# KiCad board visionboard.kicad_pcb (continued)
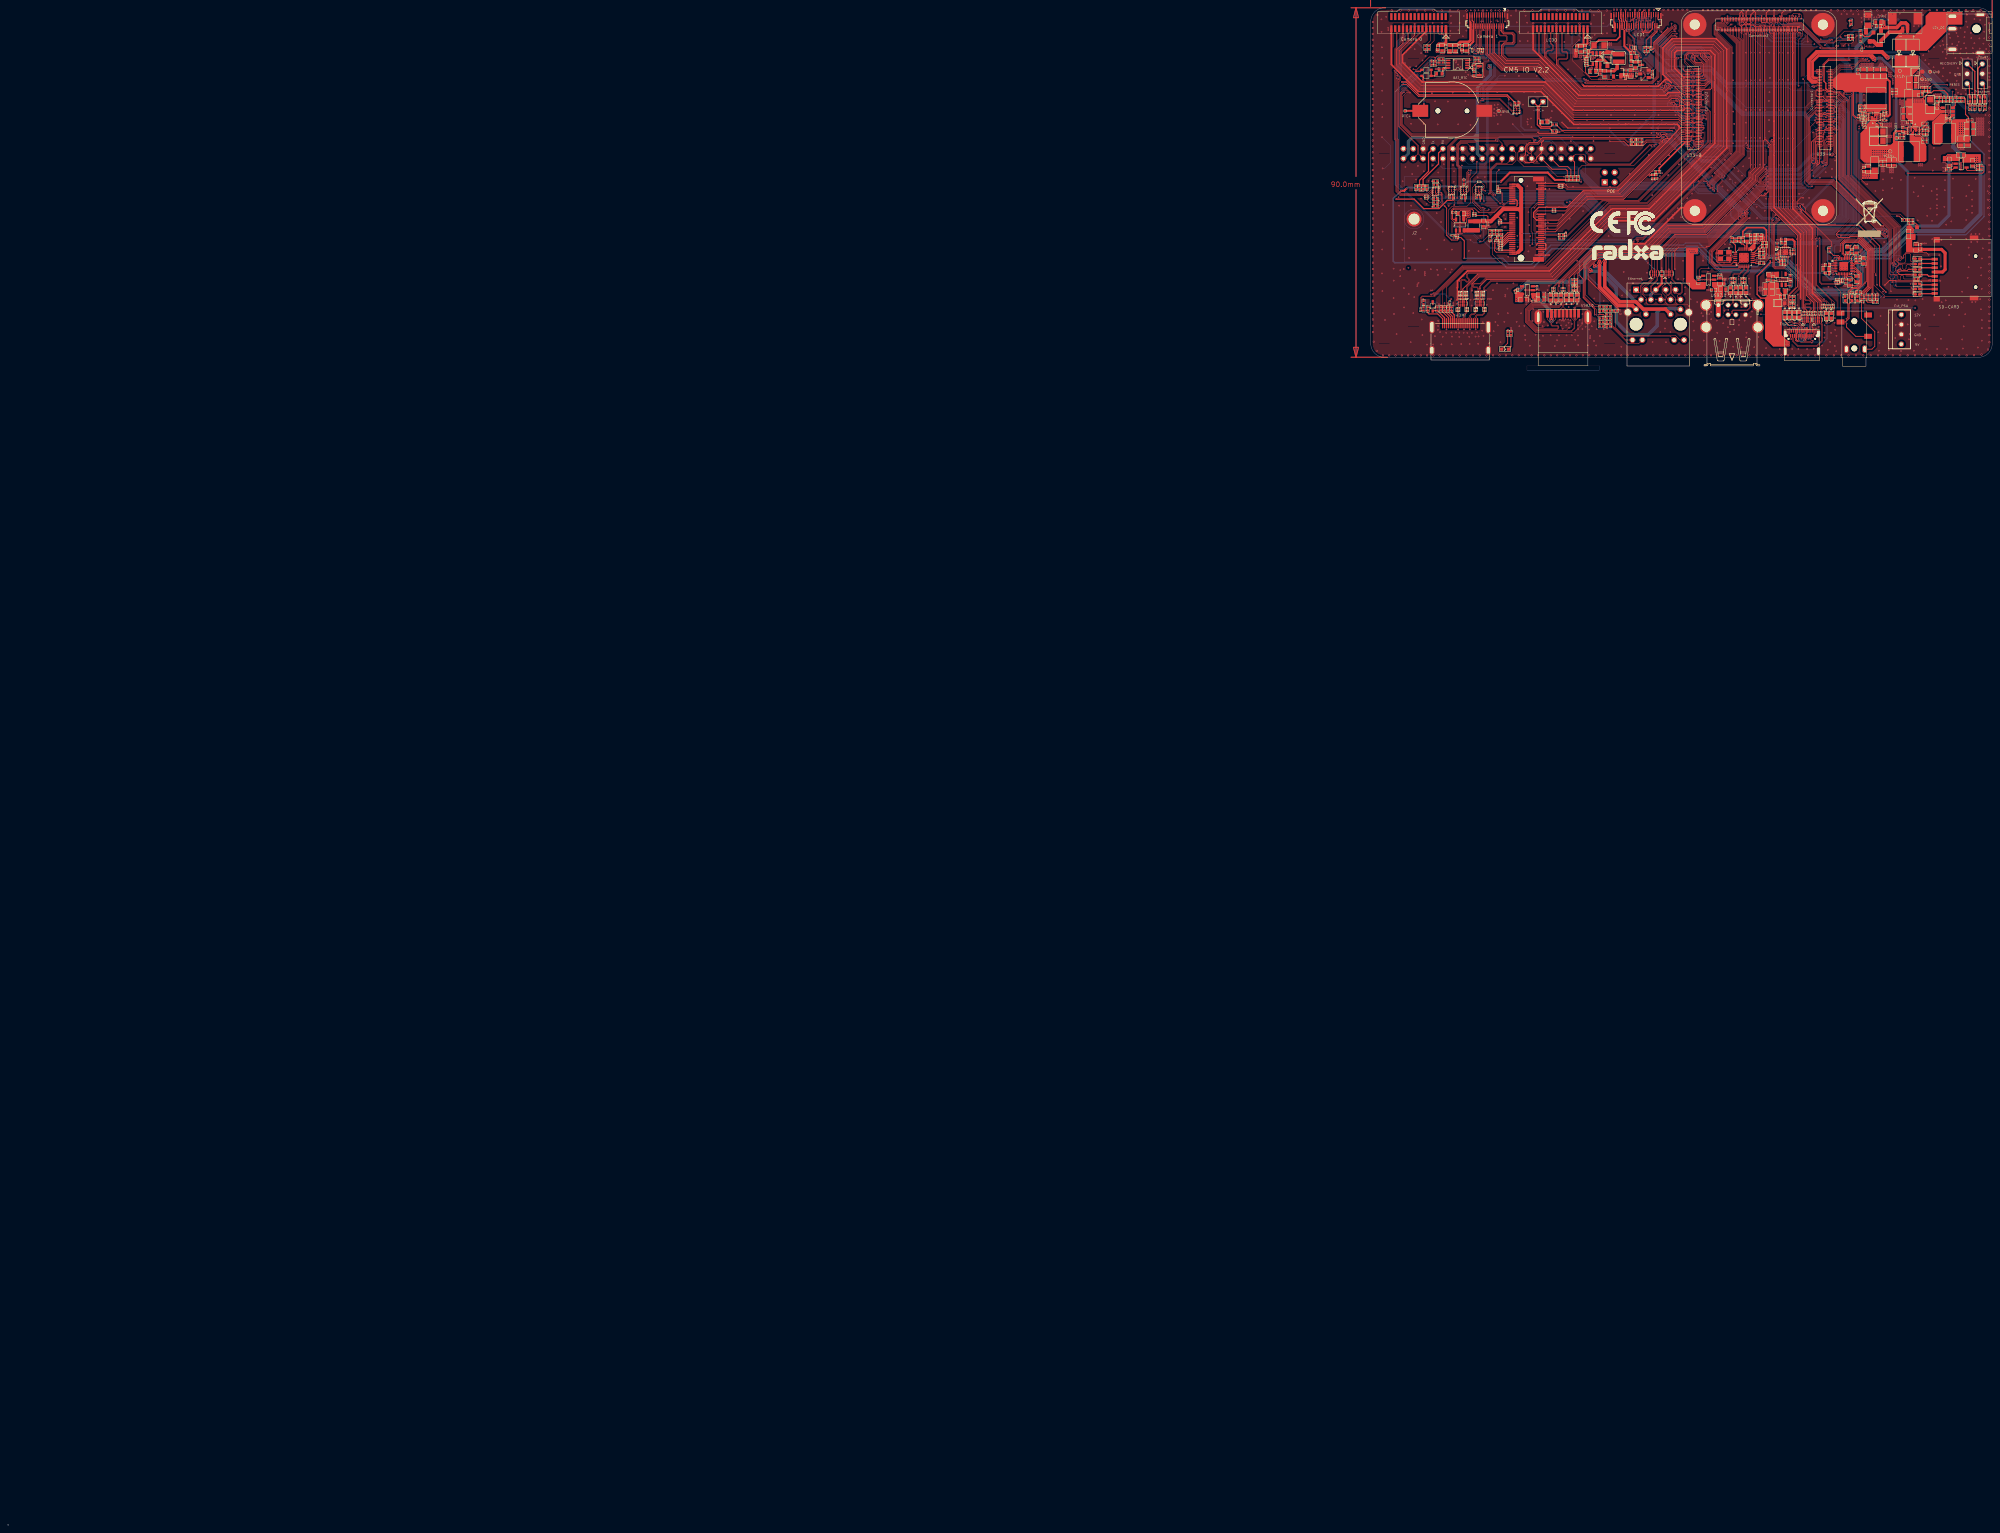
[diagram p0: board, top side]
## Placement (name value [footprint] x y rotation side) (continued)
U2305  -  [SOT_23_5]  502.93 350.64 0 top
U2602  -  [MLP14_2R50X2R50X0R80]  457.65 327.86 0 top
U2603  -  [SOT_23_5]  456.76 320.84 90 top
U3806  -  [SON10_2R50X1R00X0R50]  379.03 314.67 0 top
U3807  -  [SON10_2R50X1R00X0R50]  374.63 314.62 180 top
U4301  -  [M2_NGFF_KEY_E_1]  391.09 336.35 270 top
U90040  -  [SON10_2R50X1R00X0R50]  466.02 310.44 0 top
U90077  -  [SOT_23_5]  373.88 334.87 90 top
U90082  -  [SOT23-6]  409.06 377.69 180 top
U90089  -  [CSP-12]  367.11 344.14 0 top
U90104  -  [LCD39PIN-OK]  424.93 389.04 90 top
U90115  -  [SOT_23_5]  391.28 318.07 180 top
U90127  -  [SON10_2R50X1R00X0R50]  463.21 310.44 0 top
U90128  -  [SOT_23_5]  437.93 320.77 180 top
U90129  -  [QFN32P4X4]  472.71 324.23 0 top
U90131  -  [BAT_CR1220]  372.03 364.24 90 top
U90132  -  [CSP-12]  374.33 344.44 0 top
U90133  -  [CSP-12]  371.26 344.44 0 top
U90134  -  [DIP3_1X2P54]  504.49 373.79 270 top
U90135  -  [CSP-12]  378.23 344.39 0 top
U90136  -  [CSP-12]  389.02 363.81 180 top
USB2502  -  [USB30-L1]  400.43 312.1 0 top
Y1  -  [CRY4_3R20X2R50X0R80]  442.03 326.99 180 top
Y2  -  [3215_2PIN]  378.86 375.77 270 top

## Footprints (pads in the part's own frame, mm; a bottom-side part is the same pattern mirrored in y, then rotated)
3215_2PIN
  rect 0.65x1.3 smd: 1(0,0) 2(2.35,0)
BAT_CR1220
  round 1.3 hole 1.3 unplated: (0,3.815)
  round 1.2 hole 1.2 unplated: (0,-3.685)
  rect 3.099x4.064 smd: 1(0,8.348) 2(0,-8.134)
C0201
  rect 0.3x0.3 smd: 1(-0.25,0) 2(0.25,0)
C0402
  rect 0.5x0.5 smd: 1(-0.4,0) 2(0.4,0)
C0603
  rect 0.7x0.9 smd: 1(-0.7,0) 2(0.7,0)
C0805
  rect 0.9x1.3 smd: 1(-0.85,0) 2(0.85,0)
C1206
  rect 1.397x1.6 smd: 1(-1.25,0) 2(1.25,0)
CRY4_3R20X2R50X0R80
  rect 1.4x1.2 smd: 1(-1.1,-0.85) 2(1.1,-0.85) 3(1.1,0.85) 4(-1.1,0.85)
CSP-12
  round 0.24 smd: A1(0,0) A2(0.5,0) A3(1,0) B1(0,-0.5) B2(0.5,-0.5) B3(1,-0.5) C1(0,-1) C2(0.5,-1) C3(1,-1) D1(0,-1.5) D2(0.5,-1.5) D3(1,-1.5)
DC-044A
  oval 1.2x2.5 hole 0.787x1.981: 1(3.2,10.2) 2(-5.3,10.2) 3(0,10.2)
  oval 1x2.5 hole 0.6x1.981: 4(-6.2,3) 5(3.6,3)
  round 2.12 hole 2.12: 6(-0.009,3.991)
DF40C-200DS-D4-OK
  rect 1.14x0.2 smd: 1(18.39,-7.32) 2(15.73,-7.32) 3(18.39,-6.92) 4(15.73,-6.92) 5(18.39,-6.52) 6(15.73,-6.52) 7(18.39,-6.12) 8(15.73,-6.12) 9(18.39,-5.72) 10(15.73,-5.72) 11(18.39,-5.32) 12(15.73,-5.32) 13(18.39,-4.92) 14(15.73,-4.92) 15(18.39,-4.52) 16(15.73,-4.52) 17(18.39,-4.12) 18(15.73,-4.12) 19(18.39,-3.72) 20(15.73,-3.72) 21(18.39,-3.32) 22(15.73,-3.32) 23(18.39,-2.92) 24(15.73,-2.92) 25(18.39,-2.52) 26(15.73,-2.52) 27(18.39,-2.12) 28(15.73,-2.12) 29(18.39,-1.72) 30(15.73,-1.72) 31(18.39,-1.32) 32(15.73,-1.32) 33(18.39,-0.92) 34(15.73,-0.92) 35(18.39,-0.52) 36(15.73,-0.52) 37(18.39,-0.12) 38(15.73,-0.12) 39(18.39,0.28) 40(15.73,0.28) 41(18.39,0.68) 42(15.73,0.68) 43(18.39,1.08) 44(15.73,1.08) 45(18.39,1.48) 46(15.73,1.48) 47(18.39,1.88) 48(15.73,1.88) 49(18.39,2.28) 50(15.73,2.28) 51(18.39,2.68) 52(15.73,2.68) 53(18.39,3.08) 54(15.73,3.08) 55(18.39,3.48) 56(15.73,3.48) 57(18.39,3.88) 58(15.73,3.88) 59(18.39,4.28) 60(15.73,4.28) 61(18.39,4.68) 62(15.73,4.68) 63(18.39,5.08) 64(15.73,5.08) 65(18.39,5.48) 66(15.73,5.48) 67(18.39,5.88) 68(15.73,5.88) 69(18.39,6.28) 70(15.73,6.28) 71(18.39,6.68) 72(15.73,6.68) 73(18.39,7.08) 74(15.73,7.08) 75(18.39,7.48) 76(15.73,7.48) 77(18.39,7.88) 78(15.73,7.88) 79(18.39,8.28) 80(15.73,8.28) 81(18.39,8.68) 82(15.73,8.68) 83(18.39,9.08) 84(15.73,9.08) 85(18.39,9.48) 86(15.73,9.48) 87(18.39,9.88) 88(15.73,9.88) 89(18.39,10.28) 90(15.73,10.28) 91(18.39,10.68) 92(15.73,10.68) 93(18.39,11.08) 94(15.73,11.08) 95(18.39,11.48) 96(15.73,11.48) 97(18.39,11.88) 98(15.73,11.88) 99(18.39,12.28) 100(15.73,12.28) 101(-15.68,-7.32) 102(-18.32,-7.32) 103(-15.68,-6.92) 104(-18.32,-6.92) 105(-15.68,-6.52) 106(-18.32,-6.52) 107(-15.68,-6.12) 108(-18.32,-6.12) 109(-15.68,-5.72) 110(-18.32,-5.72) 111(-15.68,-5.32) 112(-18.32,-5.32) 113(-15.68,-4.92) 114(-18.32,-4.92) 115(-15.68,-4.52) 116(-18.32,-4.52) 117(-15.68,-4.12) 118(-18.32,-4.12) 119(-15.68,-3.72) 120(-18.32,-3.72) 121(-15.68,-3.32) 122(-18.32,-3.32) 123(-15.68,-2.92) 124(-18.32,-2.92) 125(-15.68,-2.52) 126(-18.32,-2.52) 127(-15.68,-2.12) 128(-18.32,-2.12) 129(-15.68,-1.72) 130(-18.32,-1.72) 131(-15.68,-1.32) 132(-18.32,-1.32) 133(-15.68,-0.92) 134(-18.32,-0.92) 135(-15.68,-0.52) 136(-18.32,-0.52) 137(-15.68,-0.12) 138(-18.32,-0.12) 139(-15.68,0.28) 140(-18.32,0.28) 141(-15.68,0.68) 142(-18.32,0.68) 143(-15.68,1.08) 144(-18.32,1.08) 145(-15.68,1.48) 146(-18.32,1.48) 147(-15.68,1.88) 148(-18.32,1.88) 149(-15.68,2.28) 150(-18.32,2.28) 151(-15.68,2.68) 152(-18.32,2.68) 153(-15.68,3.08) 154(-18.32,3.08) 155(-15.68,3.48) 156(-18.32,3.48) 157(-15.68,3.88) 158(-18.32,3.88) 159(-15.68,4.28) 160(-18.32,4.28) 161(-15.68,4.68) 162(-18.32,4.68) 163(-15.68,5.08) 164(-18.32,5.08) 165(-15.68,5.48) 166(-18.32,5.48) 167(-15.68,5.88) 168(-18.32,5.88) 169(-15.68,6.28) 170(-18.32,6.28) 171(-15.68,6.68) 172(-18.32,6.68) 173(-15.68,7.08) 174(-18.32,7.08) 175(-15.68,7.48) 176(-18.32,7.48) 177(-15.68,7.88) 178(-18.32,7.88) 179(-15.68,8.28) 180(-18.32,8.28) 181(-15.68,8.68) 182(-18.32,8.68) 183(-15.68,9.08) 184(-18.32,9.08) 185(-15.68,9.48) 186(-18.32,9.48) 187(-15.68,9.88) 188(-18.32,9.88) 189(-15.68,10.28) 190(-18.32,10.28) 191(-15.68,10.68) 192(-18.32,10.68) 193(-15.68,11.08) 194(-18.32,11.08) 195(-15.68,11.48) 196(-18.32,11.48) 197(-15.68,11.88) 198(-18.32,11.88) 199(-15.68,12.28) 200(-18.32,12.28)
  round 6 hole 2.6: 201(16.51,-23.98) 202(-16.49,-23.98) 203(-16.51,23.97) 204(16.49,23.97)
DF40C_100DS
  rect 1.14x0.2 smd: 1(2.73,-1.5) 2(0.09,-1.5) 3(2.73,-1.9) 4(0.09,-1.9) 5(2.73,-2.3) 6(0.09,-2.3) 7(2.73,-2.7) 8(0.09,-2.7) 9(2.73,-3.1) 10(0.09,-3.1) 11(2.73,-3.5) 12(0.09,-3.5) 13(2.73,-3.9) 14(0.09,-3.9) 15(2.73,-4.3) 16(0.09,-4.3) 17(2.73,-4.7) 18(0.09,-4.7) 19(2.73,-5.1) 20(0.09,-5.1) 21(2.73,-5.5) 22(0.09,-5.5) 23(2.73,-5.9) 24(0.09,-5.9) 25(2.73,-6.3) 26(0.09,-6.3) 27(2.73,-6.7) 28(0.09,-6.7) 29(2.73,-7.1) 30(0.09,-7.1) 31(2.73,-7.5) 32(0.09,-7.5) 33(2.73,-7.9) 34(0.09,-7.9) 35(2.73,-8.3) 36(0.09,-8.3) 37(2.73,-8.7) 38(0.09,-8.7) 39(2.73,-9.1) 40(0.09,-9.1) 41(2.73,-9.5) 42(0.09,-9.5) 43(2.73,-9.9) 44(0.09,-9.9) 45(2.73,-10.3) 46(0.09,-10.3) 47(2.73,-10.7) 48(0.09,-10.7) 49(2.73,-11.1) 50(0.09,-11.1) 51(2.73,-11.5) 52(0.09,-11.5) 53(2.73,-11.9) 54(0.09,-11.9) 55(2.73,-12.3) 56(0.09,-12.3) 57(2.73,-12.7) 58(0.09,-12.7) 59(2.73,-13.1) 60(0.09,-13.1) 61(2.73,-13.5) 62(0.09,-13.5) 63(2.73,-13.9) 64(0.09,-13.9) 65(2.73,-14.3) 66(0.09,-14.3) 67(2.73,-14.7) 68(0.09,-14.7) 69(2.73,-15.1) 70(0.09,-15.1) 71(2.73,-15.5) 72(0.09,-15.5) 73(2.73,-15.9) 74(0.09,-15.9) 75(2.73,-16.3) 76(0.09,-16.3) 77(2.73,-16.7) 78(0.09,-16.7) 79(2.73,-17.1) 80(0.09,-17.1) 81(2.73,-17.5) 82(0.09,-17.5) 83(2.73,-17.9) 84(0.09,-17.9) 85(2.73,-18.3) 86(0.09,-18.3) 87(2.73,-18.7) 88(0.09,-18.7) 89(2.73,-19.1) 90(0.09,-19.1) 91(2.73,-19.5) 92(0.09,-19.5) 93(2.73,-19.9) 94(0.09,-19.9) 95(2.73,-20.3) 96(0.09,-20.3) 97(2.73,-20.7) 98(0.09,-20.7) 99(2.73,-21.1) 100(0.09,-21.1)
DIP2PIN-2P54MM
  rect 1.3x1.3 hole 0.9: 1(0,0)
  round 1.3 hole 0.9: 2(0,-2.54)
DIP3_1X2P54
  round 1.3 hole 1: 1(-2.54,0) 2(0,0) 3(2.54,0)
DIP4PIN-2_54MM-2X2
  round 1.6 hole 0.889: 1(2.54,-2.54) 2(2.54,0) 3(0,-2.54)
  rect 1.6x1.6 hole 0.889: 4(0,0)
DIP40PIN_2D54MM
  round 1.5 hole 0.9: 1(0,-2.54) 2(0,0) 3(2.54,-2.54) 4(2.54,0) 5(5.08,-2.54) 6(5.08,0) 7(7.62,-2.54) 8(7.62,0) 9(10.16,-2.54) 10(10.16,0) 11(12.7,-2.54) 12(12.7,0) 13(15.24,-2.54) 14(15.24,0) 15(17.78,-2.54) 16(17.78,0) 17(20.32,-2.54) 18(20.32,0) 19(22.86,-2.54) 20(22.86,0) 21(25.4,-2.54) 22(25.4,0) 23(27.94,-2.54) 24(27.94,0) 25(30.48,-2.54) 26(30.48,0) 27(33.02,-2.54) 28(33.02,0) 29(35.56,-2.54) 30(35.56,0) 31(38.1,-2.54) 32(38.1,0) 33(40.64,-2.54) 34(40.64,0) 35(43.18,-2.54) 36(43.18,0) 37(45.72,-2.54) 38(45.72,0) 39(48.26,-2.54) 40(48.26,0)
DO_214AC
  rect 2.5x2 smd: 1(-2,0) 2(2,0)
E0402N
  custom 0.279x0.552 smd: (-0.356,-0.267) (0.368,0.279)
  custom 0.171x0.337 smd: (-0.305,-0.165) (0.318,0.178)
  rrect 0.635x0.635 smd: 1(-0.635,0) 2(0.635,0)
ESD0402
  rect 0.846x0.846 smd: 1(-0.635,0) 2(0.635,0)
ESD0402_1XD5
  custom 0.279x0.552 smd: (-0.356,-0.267) (0.368,0.279)
  custom 0.171x0.337 smd: (-0.305,-0.165) (0.318,0.178)
  rect 0.4x0.55 smd: 1(-0.45,0) 2(0.45,0)
FH35C_31P_0_6SHW
  rect 0.254x1.372 smd: 1(0,0) 2(0.3,2.875) 3(0.6,0) 4(0.9,2.875) 5(1.2,0) 6(1.5,2.875) 7(1.8,0) 8(2.1,2.875) 9(2.4,0) 10(2.7,2.875) 11(3,0) 12(3.3,2.875) 13(3.6,0) 14(3.9,2.875) 15(4.2,0) 16(4.5,2.875) 17(4.8,0) 18(5.1,2.875) 19(5.4,0) 20(5.7,2.875) 21(6,0) 22(6.3,2.875) 23(6.6,0) 24(6.9,2.875) 25(7.2,0) 26(7.5,2.875) 27(7.8,0) 28(8.1,2.875) 29(8.4,0) 30(8.7,2.875) 31(9,0)
  rect 0.4x1.5 smd: 32(9.7,0.335) 33(-0.7,0.335)
FPC15PIN-1.0MM-LS
  rect 0.6x1.775 smd: 1(0,0) 2(1,0) 3(2,0) 4(3,0) 5(4,0) 6(5,0) 7(6,0) 8(7,0) 9(8,0) 10(9,0) 11(10,0) 12(11,0) 13(12,0) 14(13,0) 15(14,0) 16(0,-3.125) 17(1,-3.125) 18(2,-3.125) 19(3,-3.125) 20(4,-3.125) 21(5,-3.125) 22(6,-3.125) 23(7,-3.125) 24(8,-3.125) 25(9,-3.125) 26(10,-3.125) 27(11,-3.125) 28(12,-3.125) 29(13,-3.125) 30(14,-3.125)
HDMIA19S
  rect 0.3x2.6 smd: 1(-4.5,0) 2(-4,0) 3(-3.5,0) 4(-3,0) 5(-2.5,0) 6(-2,0) 7(-1.5,0) 8(-1,0) 9(-0.5,0) 10(0,0) 11(0.5,0) 12(1,0) 13(1.5,0) 14(2,0) 15(2.5,0) 16(3,0) 17(3.5,0) 18(4,0) 19(4.5,0)
  oval 1.3x3.2 hole 0.787x2.692: 20(7.25,1) 21(-7.25,1)
  oval 1.3x2.2 hole 0.787x1.676: 22(-7.25,6.96) 23(7.25,6.96)
HOLE_D5_3D
  round 3.8 hole 2.8: 1(0,0)
IND-5020
  rect 1.4x2.8 smd: 1(-2.2,0) 2(2.2,0)
IND_3X3
  rect 3x1.1 smd: 1(0,-0.95) 2(0,0.95)
IND_303015
  rect 0.991x2.997 smd: 1(-1.139,0) 2(1.103,0)
L0402
  rect 0.5x0.5 smd: 1(-0.45,0) 2(0.45,0)
LCD39PIN-OK
  rect 1.372x0.254 smd: 1(0,0) 2(-2.875,0.3) 3(0,0.6) 4(-2.875,0.9) 5(0,1.2) 6(-2.875,1.5) 7(0,1.8) 8(-2.875,2.1) 9(0,2.4) 10(-2.875,2.7) 11(0,3) 12(-2.875,3.3) 13(0,3.6) 14(-2.875,3.9) 15(0,4.2) 16(-2.875,4.5) 17(0,4.8) 18(-2.875,5.1) 19(0,5.4) 20(-2.875,5.7) 21(0,6) 22(-2.875,6.3) 23(0,6.6) 24(-2.875,6.9) 25(0,7.2) 26(-2.875,7.5) 27(0,7.8) 28(-2.875,8.1) 29(0,8.4) 30(-2.875,8.7) 31(0,9) 32(-2.875,9.3) 33(0,9.6) 34(-2.875,9.9) 35(0,10.2) 36(-2.875,10.5) 37(0,10.8) 38(-2.875,11.1) 39(0,11.4)
  rect 1.5x0.4 smd: 40(-0.335,12.1) 41(-0.335,-0.7)
LED0603
  rect 0.8x0.8 smd: 1(-0.869,0.001) 2(0.869,-0.001)
M2_NGFF_KEY_E_1
  round 1.2 hole 1.2 unplated: (-10,-1.475)
  round 1.7 hole 1.7 unplated: (10,-1.475)
  rect 0.3x1.6 smd: 1(-9.25,3.725) 2(-9,-3.725) 3(-8.75,3.725) 4(-8.5,-3.725) 5(-8.25,3.725) 6(-8,-3.725) 7(-7.75,3.725) 8(-7.5,-3.725) 9(-7.25,3.725) 10(-7,-3.725) 11(-6.75,3.725) 12(-6.5,-3.725) 13(-6.25,3.725) 14(-6,-3.725) 15(-5.75,3.725) 16(-5.5,-3.725) 17(-5.25,3.725) 18(-5,-3.725) 19(-4.75,3.725) 20(-4.5,-3.725) 21(-4.25,3.725) 22(-4,-3.725) 23(-3.75,3.725) 32(-1.5,-3.725) 33(-1.25,3.725) 34(-1,-3.725) 35(-0.75,3.725) 36(-0.5,-3.725) 37(-0.25,3.725) 38(0,-3.725) 39(0.25,3.725) 40(0.5,-3.725) 41(0.75,3.725) 42(1,-3.725) 43(1.25,3.725) 44(1.5,-3.725) 45(1.75,3.725) 46(2,-3.725) 47(2.25,3.725) 48(2.5,-3.725) 49(2.75,3.725) 50(3,-3.725) 51(3.25,3.725) 52(3.5,-3.725) 53(3.75,3.725) 54(4,-3.725) 55(4.25,3.725) 56(4.5,-3.725) 57(4.75,3.725) 58(5,-3.725) 59(5.25,3.725) 60(5.5,-3.725) 61(5.75,3.725) 62(6,-3.725) 63(6.25,3.725) 64(6.5,-3.725) 65(6.75,3.725) 66(7,-3.725) 67(7.25,3.75) 68(7.5,-3.725) 69(7.75,3.725) 70(8,-3.725) 71(8.25,3.725) 72(8.5,-3.725) 73(8.75,3.725) 74(9,-3.725) 75(9.25,3.725)
  rect 1.2x2.8 smd: 76(10.35,3.025) 77(-10.35,3.025)
MCZ1210AH900L2
  rect 0.3x0.5 smd: 1(0,0) 2(0.55,0) 3(0.55,1.2) 4(0,1.2)
MLP14_2R50X2R50X0R80
  rect 0.6x0.3 smd: 1(-1.21,0.5) 2(-1.21,0) 3(-1.21,-0.5) 8(1.21,-0.5) 9(1.21,0) 10(1.21,0.5)
  rect 0.3x0.6 smd: 4(-0.75,-1.21) 5(-0.25,-1.21) 6(0.25,-1.21) 7(0.75,-1.21) 11(0.75,1.21) 12(0.25,1.21) 13(-0.25,1.21) 14(-0.75,1.21)
  rect 1.45x1.45 smd: 15(0,0)
MSOP8
  rect 1x0.4 smd: 1(-2.4,0.947) 2(-2.4,0.297) 3(-2.4,-0.353) 4(-2.4,-1.003) 5(2.4,-1.003) 6(2.4,-0.353) 7(2.4,0.297) 8(2.4,0.947)
PJ-327A
  round 1.5 hole 1.5: 1(0,0) 8(7,0)
  oval 2x1.2 hole 1.499x0.686: 2(-0.2,2.05) 5(-0.2,-2.65)
  rect 1.3x2 smd: 3(6.8,3.55) 4(9.1,3.55) 6(3.1,-3.55) 7(8.6,-3.55)
QFN12_2R00X3R00X1R00
  rect 1.5x0.25 smd: 1(-0.55,0.5) 2(-0.55,-0.5) 7(0.55,0)
  rect 0.25x0.7 smd: 3(-0.75,-1.45) 4(-0.25,-1.45) 5(0.25,-1.45) 6(0.75,-1.45) 9(0.75,1.45) 10(0.25,1.45) 11(-0.25,1.45) 12(-0.75,1.45)
  rect 0.7x0.25 smd: 8(0.95,0.5)
QFN24
  custom 2.505x2.505 smd: (-1.253,0.95)
  oval 0.25x1 smd: 1(-1.25,-2.2) 2(-0.75,-2.2) 3(-0.25,-2.2) 4(0.25,-2.2) 5(0.75,-2.2) 6(1.25,-2.2) 13(1.25,2.2) 14(0.75,2.2) 15(0.25,2.2) 16(-0.25,2.2) 17(-0.75,2.2) 18(-1.25,2.2)
  oval 1x0.25 smd: 7(2.2,-1.25) 8(2.2,-0.75) 9(2.2,-0.25) 10(2.2,0.25) 11(2.2,0.75) 12(2.2,1.25) 19(-2.2,1.25) 20(-2.2,0.75) 21(-2.2,0.25) 22(-2.2,-0.25) 23(-2.2,-0.75) 24(-2.2,-1.25)
  rrect 0.6x0.6 smd: 25(-0.037,-0.041)
QFN32P4X4
  rect 0.75x0.23 smd: 1(-2.025,1.4) 2(-2.025,1) 3(-2.025,0.6) 4(-2.025,0.2) 5(-2.025,-0.2) 6(-2.025,-0.6) 7(-2.025,-1) 8(-2.025,-1.4) 17(2.025,-1.4) 18(2.025,-1) 19(2.025,-0.6) 20(2.025,-0.2) 21(2.025,0.2) 22(2.025,0.6) 23(2.025,1) 24(2.025,1.4)
  rect 0.23x0.75 smd: 9(-1.4,-1.95) 10(-1,-1.95) 11(-0.6,-1.95) 12(-0.2,-1.95) 13(0.2,-1.95) 14(0.6,-1.95) 15(1,-1.95) 16(1.4,-1.95) 25(1.4,1.95) 26(1,1.95) 27(0.6,1.95) 28(0.2,1.95) 29(-0.2,1.95) 30(-0.6,1.95) 31(-1,1.95) 32(-1.4,1.95)
  rect 2.2x2.2 smd: 33(0,0)
R0201
  rect 0.3x0.3 smd: 1(-0.25,0) 2(0.25,0)
R0402
  rect 0.5x0.5 smd: 1(-0.4,0) 2(0.4,0)
R0603
  rect 0.7x0.9 smd: 1(-0.7,0) 2(0.7,0)
R1206
  rect 1.4x1.6 smd: 1(-1.3,0) 2(1.3,0)
RJ45_HRK1
  rect 1.524x1.524 hole 0.9: 1(0,0)
  round 1.524 hole 0.9: 2(1.27,-2.54) 3(2.54,0) 4(3.81,-2.54) 5(5.08,0) 6(6.35,-2.54) 7(7.62,0) 8(8.89,-2.54) 9(10.16,0) 10(11.43,-2.54) 11(0,-5.06) 12(2.54,-6.33) 13(8.89,-6.33) 14(11.43,-5.06) 18(12.36,-12.95)
  round 1.524 hole 1.02: 15(-0.92,-12.95) 16(1.62,-12.95) 17(9.82,-12.95)
  round 2 hole 1.6: 19(-2.13,-5.84) 20(13.57,-5.84)
  round 3.25 hole 3.25: 21(0.005,-8.89) 22(11.435,-8.89)
SMD_1D25X2PIN_90
  rect 0.8x1.6 smd: 1(-1.25,0) 2(0,0)
  rect 2.1x3 smd: 3(-3.85,2.82) 4(2.6,2.82)
SMD_TCM0605T
  rect 0.3x0.23 smd: 1(0,0) 2(0,-0.48) 3(0.55,-0.48) 4(0.55,0)
SOD_123
  rect 1x1 smd: 1(-1.8,0) 2(1.8,0)
SOD_323
  rect 0.8x0.6 smd: 1(-1.2,0) 2(1.2,0)
SON10_2R50X1R00X0R50
  rect 0.2x0.675 smd: 1(-1,-0.437) 2(-0.5,-0.437) 4(0.5,-0.437) 5(1,-0.437) 6(1,0.437) 7(0.5,0.437) 9(-0.5,0.437) 10(-1,0.437)
  rect 0.4x0.775 smd: 3(0,-0.388) 8(0,0.388)
SOT23
  rect 0.991x0.991 smd: 1(-0.965,-1.131) 2(0.965,-1.131)
  rect 1x1.2 smd: 3(0,1.131)
SOT23-6
  rect 0.6x1 smd: 1(-0.95,-1.4) 2(0,-1.4) 3(0.95,-1.4) 4(0.95,1.4) 5(0,1.4) 6(-0.95,1.4)
SOT_23
  rect 0.8x1.1 smd: 1(-0.95,-1.1) 2(0.95,-1.1) 3(0,1.1)
SOT_23_5
  oval 1.1x0.6 smd: 1(-1.4,1)
  rect 1.1x0.6 smd: 2(-1.4,0) 3(-1.4,-1) 4(1.4,-1) 5(1.4,1)
SOT_23_6
  rect 0.7x1 smd: 1(-0.95,-1.3) 2(0,-1.3) 3(0.95,-1.3) 4(0.95,1.3) 5(0,1.3) 6(-0.95,1.3)
TF-CKT01-009D
  round 0.9 hole 0.9 unplated: (0,4) (0,-4)
  rect 1.6x0.7 smd: 1(-10.516,3.2) 2(-10.516,2.1) 3(-10.516,1) 4(-10.516,-0.1) 5(-10.516,-1.2) 6(-10.516,-2.3) 7(-10.516,-3.4) 8(-10.516,-4.5) 9(-10.516,-5.6)
  rect 1.6x1.4 smd: 10(-10.016,-7) 13(-10.016,8.2)
  rect 2.2x1.2 smd: 11(-0.416,-6.8) 12(-0.416,8.7)
TP_0R70
  round 0.7 smd: 1(0,0)
TYPEC-24PIN-SMD-OK
  rect 0.3x0.95 smd: A1(1.61,5.29) A2(2.11,5.29) A3(2.61,5.29) A4(3.11,5.29) A5(3.61,5.29) A6(4.11,5.29) A7(4.61,5.29) A8(5.11,5.29) A9(5.61,5.29) A10(6.11,5.29) A11(6.61,5.29) A12(7.11,5.29) B1(6.86,3.99) B2(6.36,3.99) B3(5.86,3.99) B4(5.36,3.99) B5(4.86,3.99) B6(4.36,3.99) B7(3.86,3.99) B8(3.36,3.99) B9(2.86,3.99) B10(2.36,3.99) B11(1.86,3.99) B12(1.36,3.99)
  oval 0.85x1.9 hole 0.6x1.5: E1(0,4.55) E6(8.56,4.55)
  oval 1.2x0.85 hole 1x0.6: E2(0.21,4.04) E5(8.38,4.04)
  oval 0.85x2.2 hole 0.6x1.9: E3(0,0) E4(8.56,0)
  round 0.5 hole 0.5: H1(0.85,3.2) H2(7.71,3.2)
USB30-L1
  rect 0.7x2.2 smd: 1(-3,0) 2(-1,0) 3(1,0) 4(3,0) 5(4,0) 6(2,0) 7(0,0) 8(-2,0) 9(-4,0)
  oval 1.8x3.6 hole 0.584x2.489: 10(-6.4,-1) 11(6.4,-1)
USB_DUAL
  round 1.3 hole 0.9: 1(3.18,3.5) 2(3.18,1) 3(3.18,-1) 4(3.18,-3.5) 5(5.68,3.5) 6(5.68,1) 7(5.68,-1) 8(5.68,-3.5)
  round 3.048 hole 2.3: 9(0,6.7)
  round 3.048 hole 2.286: 10(0,-6.7) 11(5.7,6.7) 12(5.7,-6.7)
XIAO_4PIN_2D54
  round 1.4 hole 0.9: 1(0.01,0) 2(2.55,0) 3(5.09,0) 4(7.63,0)

## Nets
3V3_CAM1: C90778.1 C90779.1 FB2.2 J7.1
3V3_CAM2: C812.1 C813.1 FB7.2 J5002.28 J5002.29
5V_CAM: C548.1 C549.1 J5002.30 J5002.31 R316.2
AVCC_1V8_CODEC_S0: C571.1 C572.1 R396.1 R95557.2 U90129.3 U90129.4 U90129.14
GND: C1.2 C3.1 C4.2 C5.2 C34.2 C83.1 C84.2 C85.2 C87.2 C88.2 C89.2 C126.1 C127.1 C130.2 C131.2 C132.2 C133.2 C134.2 C135.2 C136.2 C137.2 C138.2 C139.2 C140.2 C141.2 C142.2 C143.2 C144.2 C146.2 C147.2 C149.2 C150.2 C151.1 C152.2 C153.2 C154.2 C155.2 C156.2 C265.2 C267.2 C268.2 C269.2 C548.2 C549.2 C558.2 C559.2 C561.2 C562.2 C563.2 C564.2 C565.2 C569.2 C570.2 C571.2 C572.2 C573.2 C574.2 C658.2 C750.1 C812.2 C813.2 C2282.2 C2283.2 C2284.2 C2330.2 C2332.2 C2335.2 C2606.2 C2607.2 C2608.2 C2609.2 C2611.2 C2612.2 C2613.2 C2614.2 C7320.2 C7322.2 C90084.2 C90399.2 C90408.2 C90409.2 C90410.2 C90431.2 C90448.2 C90478.2 C90479.2 C90480.2 C90482.2 C90483.2 C90484.2 C90485.2 C90486.2 C90487.2 C90488.2 C90490.2 C90582.1 C90615.2 C90616.2 C90617.2 C90618.1 C90750.2 C90751.2 C90772.2 C90773.2 C90774.2 C90775.2 C90776.2 C90777.2 C90778.2 C90779.2 C90780.2 C90781.2 C90782.1 C90783.1 C90784.1 C90787.1 C90788.1 C90789.2 C90790.2 CN14A1.6 CN14A1.10 CN14A1.11 CN14A1.12 CN14A1.13 CON1.6 CON1.9 CON1.14 CON1.20 CON1.25 CON1.30 CON1.34 CON1.39 D3.1 D4.1 D41.1 D47.1 D48.1 D49.1 D90031.2 D90032.2 D90033.2 D90034.2 D90035.2 D90037.2 ED1.2 ED2.2 ED3.2 ED5.2 ED6.2 ED9.2 ED10.2 ED11.2 ED12.2 ED13.2 ED14.2 ED15.2 ED20.2 ED21.2 ED22.2 ED2109.2 ED2110.2 ED2111.2 ED4806.2 ED7104.2 ED9203.2 ED9204.2 ED9205.2 ED9206.2 ESD2701.2 ESD2702.2 ESD2703.2 ESD2704.2 ESD2706.2 ESD27052.2 J1.2 J1.5 J1.8 J1.11 J1.17 J1.20 J1.21 J1.22 J1.23 J2.1 J3.19 J3.20 J6.3 J6.6 J6.9 J6.12 J6.15 J7.6 J7.9 J7.12 J7.15 J15.2 J24.1 J24.2 J24.7 J24.13 J24.19 J24.22 J24.25 J24.31 J24.32 J24.37 J24.42 J24.43 J24.48 J24.49 J24.55 J24.56 J24.61 J24.62 J24.67 J24.68 J24.72 J24.73 J24.76 J24.99 J24.100 J5002.1 J5002.4 J5002.7 J5002.10 J5002.13 J5002.16 J5002.19 J5002.21 J5002.32 J5002.33 J8202.A1 J8202.A12 J8202.B1 J8202.B12 J8202.E1 J8202.E2 J8202.E3 J8202.E4 J8202.E5 J8202.E6 J8203.4 J8203.8 J8203.9 J8203.10 J8203.11 J8203.12 P6.1 Q9515.2 R1.1 R7.1 R97.1 R102.2 R152.1 R154.1 R160.2 R161.2 R353.2 R2005.2 R2006.2 R2322.2 R2611.2 R2612.2 R5004.2 R7125.2 R7315.1 R90338.1 R91193.2 R95043.2 R95114.1 R95116.2 R95117.2 R95159.2 R95210.2 R95555.2 R95556.2 R95578.1 R95579.2 R95598.2 R95602.2 R95606.1 R95614.2 R95615.2 TP11.1 TP14.1 U1.2 U1.10 U3.4 U5.3 U5.8 U6.3 U6.8 U17.25 U26.3 U26.4 U27.2 U27.10 U28.2 U28.3 U29.2 U32.2 U33.1 U33.2 U33.7 U33.8 U33.13 U33.14 U33.22 U33.23 U33.32 U33.33 U33.42 U33.43 U33.52 U33.53 U33.59 U33.60 U33.65 U33.66 U33.71 U33.74 U33.98 U33.107 U33.108 U33.113 U33.114 U33.119 U33.120 U33.125 U33.126 U33.131 U33.132 U33.137 U33.138 U33.144 U33.150 U33.155 U33.156 U33.161 U33.162 U33.167 U33.168 U33.173 U33.174 U33.179 U33.180 U33.185 U33.186 U33.191 U33.192 U33.197 U33.198 U33.201 U33.202 U33.203 U33.204 U37.2 U37.3 U37.4 U37.5 U2305.2 U2602.8 U2602.9 U2602.15 U2603.2 U3806.3 U3806.8 U3807.3 U3807.8 U4301.1 U4301.7 U4301.18 U4301.33 U4301.39 U4301.45 U4301.51 U4301.57 U4301.63 U4301.69 U4301.75 U4301.76 U4301.77 U90040.3 U90040.8 U90077.2 U90082.2 U90089.D2 U90104.6 U90104.9 U90104.12 U90104.15 U90104.18 U90104.21 U90104.22 U90104.28 U90104.29 U90104.32 U90104.33 U90104.40 U90104.41 U90115.2 U90127.3 U90127.8 U90128.2 U90129.5 U90129.17 U90129.18 U90129.23 U90129.33 U90131.2 U90132.D2 U90133.D2 U90134.2 U90135.D2 U90136.D2 USB2502.4 USB2502.7 USB2502.10 USB2502.11 Y1.2 Y1.4
VBUS5V0_TYPEC: C658.1 C2611.1 C90780.1 C90781.1 D41.2 J8202.A4 J8202.A9 J8202.B4 J8202.B9 U2602.2 U2603.1
VCC3V3_SD: C4.1 C5.1 CN14A1.4 Q1.3 R220.2
VCC3V3_SYS: C148.1 C149.1 C150.1 C154.1 C155.1 C156.1 CON1.1 CON1.17 FB2.1 FB6.1 FB7.1 L13.2 R4.2 R10.2 R157.1 R95530.1
VCC3V3_WF: C266.1 C267.1 C268.1 L5011.2 R95151.2 R95153.2 R95154.2 R95281.1 U4301.2 U4301.4 U4301.72 U4301.74 U90135.A2
VCC5V0_SYS: C126.2 C127.2 C135.1 C136.1 C137.1 C138.1 C139.1 C265.1 C558.1 C559.1 C2606.1 C2607.1 C2608.1 C2609.1 C90480.1 C90483.1 C90484.1 C90789.1 C90790.1 CON1.2 CON1.4 D1.1 D37.2 L12.2 Q9514.2 R148.2 R316.1 R95041.1 R95122.2 R95616.2 TP10.1 U1.1 U26.2 U27.5 U28.4 U2602.12 U2602.13 U2603.5 U90077.4
VCC5V0_USB: C85.1 C130.1 C131.1 C90582.2 C90773.1 L4.1 R148.1 R91375.1 U90115.5 U90128.5
VCC5V0_USB1: C2282.1 C2283.1 C2284.1 U90115.1 USB2502.1
VCC12V: C132.1 C133.1 C134.1 C146.1 C147.1 R149.2 R150.1 R158.1 U27.1 U28.1 U29.5
VCC12V_DCIN: C140.1 C142.1 C151.2 C152.1 D45.2 D46.2 D47.2 R150.2 R151.2 TP9.1
VCC_1V8_S0: C90618.2 R2311.1 R90337.1 R95209.1 R95467.1 R95557.1 R95558.1 U33.88 U33.90 U90089.B2 U90089.C2
VCC_1V8_S3: C90782.2 C90783.2 C90784.2 C90788.2 R4203.2 R95589.2 U90132.B2 U90132.C2 U90133.B2 U90133.C2 U90135.B2 U90135.C2 U90136.B2 U90136.C2
VCC_3V3_S0: C573.1 C574.1 C2332.1 L3.2 R91.1 R94.1 R96.1 R105.1 R106.1 R95607.2 U2305.1 U90129.22
VCC_3V3_S3: C2330.1 C2614.1 C90787.2 D90038.1 Q1.2 R12.1 R220.1 R2613.1 R9241.1 R95572.1 R95590.1 R95591.1 R95592.1 R95593.1 R95607.1 U33.84 U33.86 U2305.5 U2602.3 U2602.4 U90089.A2 U90132.A2 U90133.A2 U90136.A2
VCC_LDO5V: P4.1 R155.1
VCC_LEDA: C90409.1 D5000.2 U90082.5 U90104.38 U90104.39
VCC_LEDK: R5004.1 R95071.2 U90104.34 U90104.35
VCC_MIPI: C34.1 C90431.1 FB6.2 J6.1 J6.2
VCC_RTC: D2.2 D90038.2 R95373.1
VCC_SYSIN: C90478.1 C90479.1 C90481.2 C90485.1 C90486.1 C90488.1 C90490.1 L5002.2 R95120.1 R95603.1 U1.5 U33.77 U33.79 U33.81 U33.83 U33.85 U33.87
VCCIO_FLASH: R95374.2 R95375.1 R95589.1 U33.73
100M_LED_G+: J3.15 R3.2 R4.1
100M_LED_G-: J3.16 R1.2 R2.1
1000M_LED_Y+: J3.17 R9.2 R10.1
1000M_LED_Y-: J3.18 R7.2 R8.1
BT_HOST_WAKE: J24.85 R95586.1
BT_REG_ON_H: J24.98 R95143.1 R95148.1 R95153.1
BUSJ: R105.2 U17.18
CC_INT0_L: J24.96 R95599.1
DRV: R91.2 TP6.1 U17.21
EINT_CTP1: R95470.1 R95596.2 U90089.C1
GPIO0_C2: CON1.12 J24.93
GPIO0_C7: CON1.31 R95590.2 U33.56
GPIO0_D0: CON1.29 R95591.2 U33.58
GPIO0_D3: CON1.40 J24.94
GPIO1_A6_CAM1: R95595.1 U33.45 U90089.B3
GPIO1_A6_CAM1_E: R95570.1 R95595.2 U90089.B1
GPIO1_B1: CON1.22 U90133.A1
GPIO1_B1_S: U33.40 U90133.A3
GPIO1_B2_CAM1: R95594.1 U33.44 U90089.A3
GPIO1_B2_CAM1_E: R95571.1 R95594.2 U90089.A1
GPIO1_B6_CAM2_CLK: J24.10 R715.1
GPIO1_B7: J24.12 U90133.B3
GPIO1_B7_E: CON1.32 U90133.B1
GPIO1_C1: J24.20 R159.1 U90133.C3
GPIO1_C1_E: CON1.33 U90133.C1
GPIO1_C4: CON1.16 U90132.A1
GPIO1_C4_S: J24.79 U90132.A3
GPIO1_C6: CON1.36 U90132.C1
GPIO1_C6_S: J24.75 U90132.C3
GPIO1_D2: CON1.38 U90132.D1
GPIO1_D2_S: J24.83 U90132.D3
GPIO1_D5: CON1.18 U90132.B1
GPIO1_D5_S: J24.77 U90132.B3
GPIO3_B7: CON1.26 J24.6 R95592.2
GPIO3_C0: CON1.35 J24.4 R95593.2
GPIO4_A4: CON1.15 J24.38
GPIO4_A5: CON1.13 J24.40
GPIO4_A6: CON1.11 J24.89
GPIO4_A7: CON1.7 J24.87
GSENSOR_INT: R95541.2 U33.29
HDMI0_SBDN: C90430.2 ED1.1 J1.19 R95282.2
HDMI0_SBDP: C90429.2 ED5.1 J1.14
HDMI0_TX0N: L5005.2 R957.1 U33.184
HDMI0_TX0N_PORT: C90422.2 L5009.2 R95267.1 U3807.2 U3807.9
HDMI0_TX0N_PORT_C: J1.9 L5009.3 R95267.2
HDMI0_TX0P: L5005.1 R956.1 U33.182
HDMI0_TX0P_PORT: C90421.2 L5009.1 R95268.1 U3807.1 U3807.10
HDMI0_TX0P_PORT_C: J1.7 L5009.4 R95268.2
HDMI0_TX1N: L5004.2 R955.1 U33.178
HDMI0_TX1N_PORT: C90420.2 L5007.2 R95264.1 U3806.1 U3806.10
HDMI0_TX1N_PORT_C: J1.6 L5007.3 R95264.2
HDMI0_TX1P: L5004.1 R954.1 U33.176
HDMI0_TX1P_PORT: C90427.2 L5007.1 R95263.1 U3806.2 U3806.9
HDMI0_TX1P_PORT_C: J1.4 L5007.4 R95263.2
HDMI0_TX2N: L5003.2 R953.1 U33.172
HDMI0_TX2N_PORT: C90426.2 L5008.2 R95266.1 U3806.4 U3806.7
HDMI0_TX2N_PORT_C: J1.3 L5008.3 R95266.2
HDMI0_TX2P: L5003.1 R952.1 U33.170
HDMI0_TX2P_PORT: C90425.2 L5008.1 R95265.1 U3806.5 U3806.6
HDMI0_TX2P_PORT_C: J1.1 L5008.4 R95265.2
HDMI0_TX3N: L5006.2 R959.1 U33.190
HDMI0_TX3N_PORT: C90423.2 L5010.2 R95270.1 U3807.5 U3807.6
HDMI0_TX3N_PORT_C: J1.12 L5010.3 R95270.2
HDMI0_TX3P: L5006.1 R958.1 U33.188
HDMI0_TX3P_PORT: C90424.2 L5010.1 R95269.1 U3807.4 U3807.7
HDMI0_TX3P_PORT_C: J1.10 L5010.4 R95269.2
HDMI0_TX_SBDN_C: C90430.1 U33.147
HDMI0_TX_SBDP_C: C90429.1 U33.145
HDMI_TX0_CEC_PORT: ED9206.1 J1.13 U33.151
HDMI_TX0_HPD_M0: R95282.1 R95615.1 U33.153
HDMI_TX0_SCL_5V: ED3.1 J1.15 U33.200
HDMI_TX0_SDA_5V: ED2.1 J1.16 U33.199
HOST_WAKE_BT_H: R95147.1 R95152.1 R95154.1 U33.91
HP_DET_L: J24.36 R90341.2
HP_INT: R95573.2 U33.20
HPOL: ED2111.1 J15.3 R90338.2 U90129.20
HPOR: ED2110.1 J15.6 U90129.19
I2C4_SCL_M3_WIFI: U33.49 U90135.D3
I2C4_SCL_M3_WIFI_E: R95150.1 U90135.D1
I2C4_SDA_M3_WIFI: U33.25 U90135.C3
I2C4_SDA_M3_WIFI_E: R95149.1 U90135.C1
I2C6_SCL_M3: J24.71 R120.2 U2602.6
I2C6_SDA_M3: J24.69 R95377.2 U2602.7
I2C7_SCL_M2: CON1.5 J6.5 J7.3 U33.80
I2C7_SDA_M2: CON1.3 J6.4 J7.2 U33.82
I2C8_SCL_M2: R95472.1 R95612.2 U90136.B1
I2C8_SCL_M2_CAM: J5002.24 U33.35 U90129.1 U90136.B3
I2C8_SDA_M2: R95471.1 R95609.1 U90136.A1
I2C8_SDA_M2_CAM: J5002.25 U33.36 U90129.32 U90136.A3
I2S0_LRCK_TX: U33.48 U90129.8
I2S0_MCLK: U33.50 U90129.2
I2S0_SCLK_TX: U33.46 U90129.6
I2S0_SDI0: U33.54 U90129.9
I2S0_SDO0: U33.34 U90129.7
LCD1_3V3: C2335.1 C90750.1 C90751.1 C90772.1 R95530.2 U90104.1 U90104.24 U90104.30 U90104.31
LCD_PWREN_H: J24.34 R95042.1
LCD_RESET_L: R95468.1 U33.41
MIC_IN2P: C560.2 C90084.1 ED2109.1 J15.5 R7120.1 R7313.1 R7314.2
MICBIAS1: C562.1 C7320.1 R7313.2 U90129.26
MIPI_CAM2_PDN_L: R814.1 U33.47
MIPI_CAM2_RST_L: R95580.1 U33.38
MIPI_CSI0_RX_CLK0N: J7.8 U33.140
MIPI_CSI0_RX_CLK0P: J7.7 U33.142
MIPI_CSI0_RX_D0N: J7.14 U33.128
MIPI_CSI0_RX_D0P: J7.13 U33.130
MIPI_CSI0_RX_D1N: J7.11 U33.134
MIPI_CSI0_RX_D1P: J7.10 U33.136
MIPI_DPHY0_RX_CLKN: J5002.17 U33.127
MIPI_DPHY0_RX_CLKP: J5002.18 U33.129
MIPI_DPHY0_RX_D0N: J5002.14 U33.115
MIPI_DPHY0_RX_D0P: J5002.15 U33.117
MIPI_DPHY0_RX_D1N: J5002.11 U33.121
MIPI_DPHY0_RX_D1P: J5002.12 U33.123
MIPI_DPHY0_RX_D2N: J5002.5 U33.133
MIPI_DPHY0_RX_D2P: J5002.6 U33.135
MIPI_DPHY0_RX_D3N: J5002.2 U33.139
MIPI_DPHY0_RX_D3P: J5002.3 U33.141
MIPI_DPHY0_TX_CLKN: J6.11 U33.169
MIPI_DPHY0_TX_CLKP: J6.10 U33.171
MIPI_DPHY0_TX_D0N: J6.8 U33.157
MIPI_DPHY0_TX_D0P: J6.7 U33.159
MIPI_DPHY0_TX_D1N: J6.14 U33.163
MIPI_DPHY0_TX_D1P: J6.13 U33.165
MIPI_DPHY1_TX_CLKN: U33.187 U90104.13
MIPI_DPHY1_TX_CLKP: U33.189 U90104.14
MIPI_DPHY1_TX_D0N: U33.175 U90104.7
MIPI_DPHY1_TX_D0P: U33.177 U90104.8
MIPI_DPHY1_TX_D1N: U33.181 U90104.10
MIPI_DPHY1_TX_D1P: U33.183 U90104.11
MIPI_DPHY1_TX_D2N: U33.193 U90104.16
MIPI_DPHY1_TX_D2P: U33.195 U90104.17
MIPI_DPHY1_TX_D3N: U33.194 U90104.19
MIPI_DPHY1_TX_D3P: U33.196 U90104.20
OVCJ: R96.2 U17.1
PCIE20_0_REFCLKN: U33.112 U4301.49
PCIE20_0_REFCLKP: U33.110 U4301.47
PCIE20_0_RXN: U33.118 U4301.43
PCIE20_0_RXP: U33.116 U4301.41
PCIE20_0_TXN: C90393.1 U33.124
PCIE20_0_TXP: C90392.1 U33.122
PCIE20X1_2_CLKREQN_M0: R95144.1 R95151.1 U33.102
PCIE20X1_2_PERSTN_M0: R95145.1 U33.109
PCIE20X1_2_WAKEN_M0: R95146.1 U33.24
PHY1_LED0_Y1: R6.1 U33.19
PHY1_LED1_G: D3.2 R2.2 R3.1 U33.17
PHY1_LED2_Y: R5.1 U33.15
PHY1_MDI0+: J3.1 U5.1 U5.10 U33.12
PHY1_MDI0-: J3.2 U5.2 U5.9 U33.10
PHY1_MDI1+: J3.3 U5.4 U5.7 U33.4
PHY1_MDI1-: J3.6 U5.5 U5.6 U33.6
PHY1_MDI2+: J3.7 U6.1 U6.10 U33.11
PHY1_MDI2-: J3.8 U6.2 U6.9 U33.9
PHY1_MDI3+: J3.9 U6.4 U6.7 U33.3
PHY1_MDI3-: J3.10 U6.5 U6.6 U33.5
PWM4_M0: R214.2 U33.89
PWM11_M3: J24.18 R215.2
PWM15_M1: R95073.1 R95137.1 U33.21
PWRON_L: R95495.1 U33.99
RESET_L: R95584.1 U33.92
RSTB_CTP1: R95469.1 R95597.2 U90089.D1
RTC_32K_IN: R95028.2 R95155.1
RTC_32K_SOC: J24.90 R95581.1 R95614.1
RTC_INT_L: J24.81 R121.1 R95375.2
SARADC_VIN0_BOOT: R95582.1 U33.93
SARADC_VIN1_KEY/RECOVERY: J24.26 R95585.1
SARADC_VIN2_DC: J24.28 R153.1
SARADC_VIN3_HP_HOOK: C7322.1 J24.30 R7314.1 R7315.2
SARADC_VIN4: CON1.37 U33.96
SD_PWR_ON: R13.2 R95613.2 U33.75
SDMMC_CLK: R11.1 U33.57
SDMMC_CMD: CN14A1.3 ED13.1 U33.62
SDMMC_D0: CN14A1.7 ED11.1 U33.63
SDMMC_D1: CN14A1.8 ED10.1 U33.67
SDMMC_D2: CN14A1.1 ED15.1 U33.69
SDMMC_D3: CN14A1.2 ED14.1 U33.61
SDMMC_DET_L: J24.74 R90334.1
SENSOR_INT_LCD1: R95541.1 U90104.3
SPIO_CLK_M1: CON1.23 U33.30
SPIO_CS0M1: CON1.24 U33.31
SPIO_MISO_M1: CON1.21 U33.100
SPIO_MOSI_M1: CON1.19 U33.28
SSRX_1N: D90034.1 R91181.2 USB2502.5
SSRX_1P: D90033.1 R91182.2 USB2502.6
SSTX_1N: C2280.2 D90035.1 USB2502.8
SSTX_1P: C2281.2 D90037.1 USB2502.9
TP_INT_L: R95596.1 U33.37 U90089.C3
TP_RST_L: R95597.1 U33.39 U90089.D3
TR0: J3.11 J4.2
TR1: J3.12 J4.1
TR2: J3.13 J4.4
TR3: J3.14 J4.3
TYPEC0_CC1: C2612.1 ESD2702.1 J8202.A5 U2602.10 U2602.11
TYPEC0_CC2: C2613.1 ESD2701.1 J8202.B5 U2602.1 U2602.14
TYPEC0_OTG_DM: R91188.1 U33.103
TYPEC0_OTG_DP: R91189.1 U33.105
TYPEC0_SBU1: C2010.1 J24.3
TYPEC0_SBU1_DC: J24.8 R2004.1
TYPEC0_SBU2: C2011.1 J24.5
TYPEC0_SBU2_DC: J24.14 R2007.1
TYPEC0_SSRX1N: J24.11 R2013.1
TYPEC0_SSRX1P: J24.9 R2015.1
TYPEC0_SSRX2N: J24.23 R2016.1
TYPEC0_SSRX2P: J24.21 R2017.1
TYPEC0_SSTX1N: C2013.1 J24.17
TYPEC0_SSTX1P: C2014.1 J24.15
TYPEC0_SSTX2N: C2019.1 J24.29
TYPEC0_SSTX2P: C2020.1 J24.27
TYPEC5V_PWREN_H: J24.95 R2611.1 U2603.4
TYPEC_SBU1: C2010.2 ESD2703.1 J8202.A8 R2004.2 R2005.1
TYPEC_SBU2: C2011.2 ESD2704.1 J8202.B8 R2006.1 R2007.2
TYPEC_SSRX1N: J8202.B10 R2013.2 U90040.4 U90040.7
TYPEC_SSRX1P: J8202.B11 R2015.2 U90040.5 U90040.6
TYPEC_SSRX2N: J8202.A10 R2016.2 U90127.4 U90127.7
TYPEC_SSRX2P: J8202.A11 R2017.2 U90127.5 U90127.6
TYPEC_SSTX1N: C2013.2 J8202.A3 U90040.1 U90040.10
TYPEC_SSTX1P: C2014.2 J8202.A2 U90040.2 U90040.9
TYPEC_SSTX2N: C2019.2 J8202.B3 U90127.1 U90127.10
TYPEC_SSTX2P: C2020.2 J8202.B2 U90127.2 U90127.9
UART2_RX_M0: R168.2 U33.51
UART2_TX_M0: R167.2 U33.55
USB1_DM: L90027.2 R249.2 U17.11
USB1_DP: L90027.1 R250.2 U17.12
USB2_DM: L5012.4 R253.1 U17.9
USB2_DP: L5012.3 R254.1 U17.10
USB3_DM: FB261.1 R95142.2 U17.7
USB3_DP: FB261.2 R95141.2 U17.8
USB4_DM: R95611.2 U17.5
USB4_DP: R95610.1 U17.6
USB20_HOST0_DM: J24.65 U17.14
USB20_HOST0_DP: J24.63 U17.15
USB20_HOST1_DM: J24.47 R95552.1
USB20_HOST1_DP: J24.45 R95551.1
USB30_2_SSRXN: J24.59 R91181.1
USB30_2_SSRXP: J24.57 R91182.1
USB30_2_SSTXN: C2280.1 J24.53
USB30_2_SSTXP: C2281.1 J24.51
USB_HOST_PWREN_H: R91375.2 R95555.1 R95579.1 U33.97 U90115.4 U90128.4
USBC_D+: ESD2706.1 J8202.A6 J8202.B6 L90020.3 R95547.2
USBC_D-: ESD27052.1 J8202.A7 J8202.B7 L90020.4 R95546.2
USBHP_1N: D90032.1 L90026.3 R95553.2 USB2502.2
USBHP_1P: D90031.1 L90026.4 R95550.2 USB2502.3
VD33: C83.2 L3.1 U17.20
WIFI_HOST_WAKE: R95613.1 U4301.21
WIFI_LED: R95583.1 U33.95
WIFI_PWR_EN: J24.24 R95239.1
WIFI_REG_ON: R95587.2 U4301.23 U90135.B1
WIFI_REG_ON_E: R95587.1 U33.27 U90135.B3
XRSTJ: R106.2 U17.16
N05021: C3.2 J3.4 J3.5
N05653: D4.2 R5.2 R6.2 R8.2 R9.1
N07070: CN14A1.5 ED12.1 R11.2
N07124: CN14A1.9 ED9.1 R4203.1 R90334.2
N28976: C84.1 C87.1 C88.1 L4.2 U17.19
N29602: C89.1 R94.2 R97.2 U17.17
N29722: U17.3 Y1.1
N29870: U17.4 Y1.3
